# Altium PCB H17R0.PcbDoc (continued)
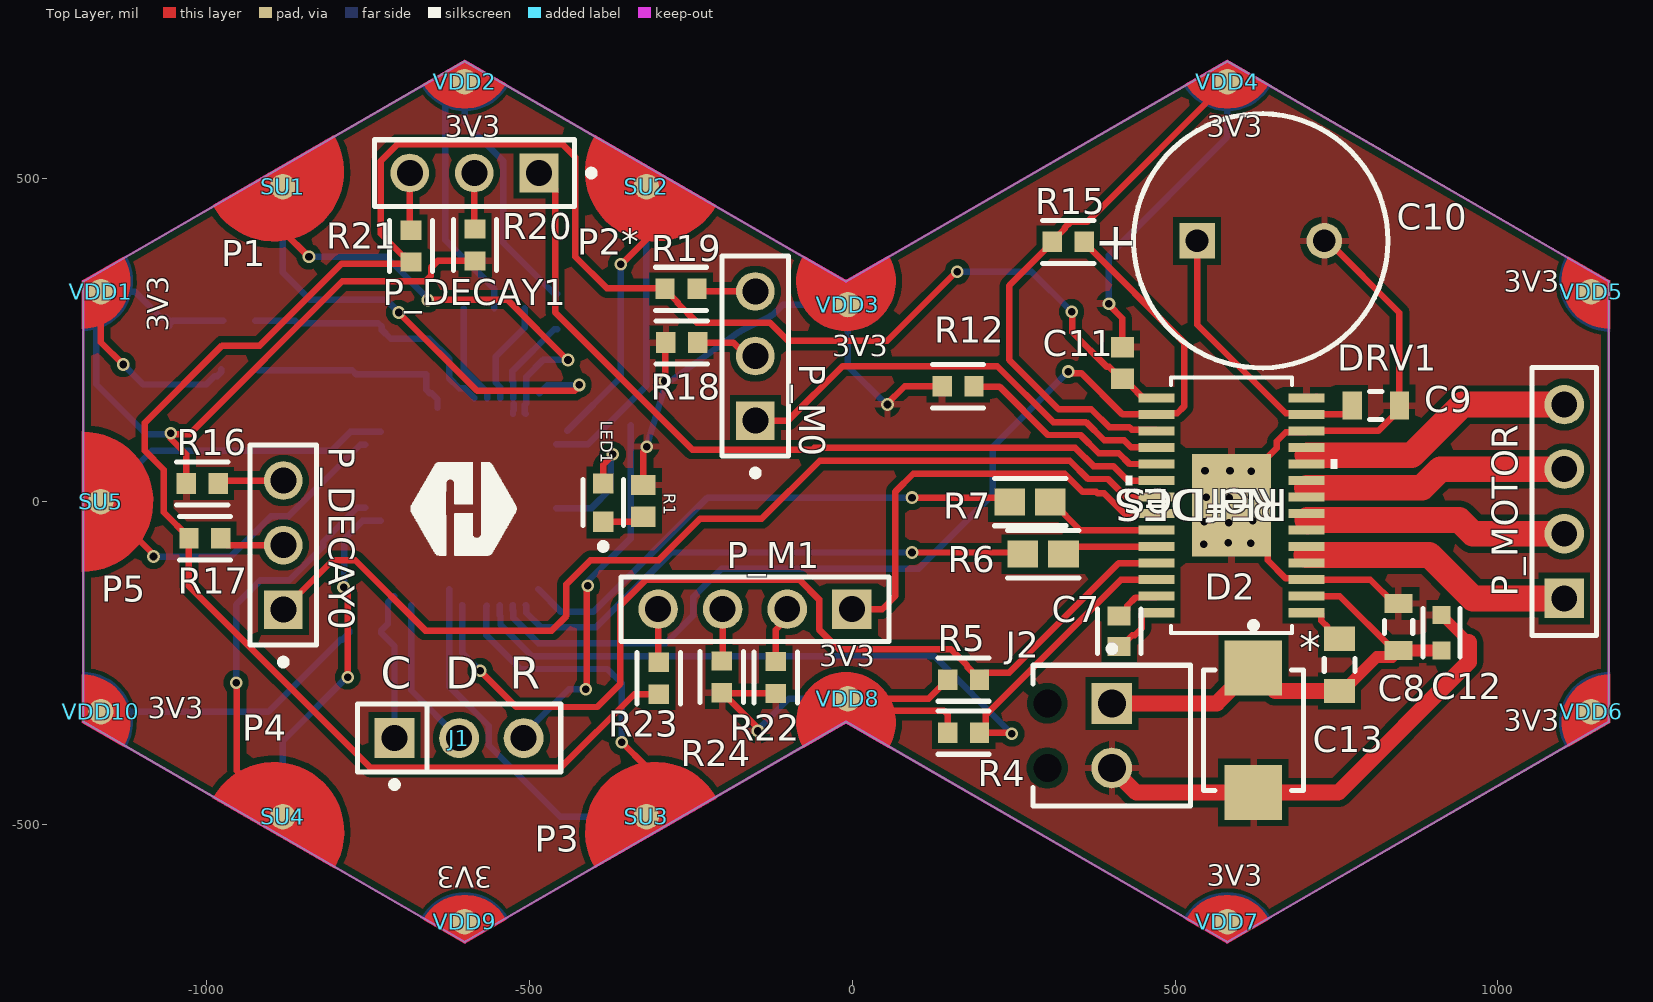
[diagram p0: Top Layer view]
## Part data (continued)
D1: "A 3V, 350W, bi-directional, standard capacitance, SOD323 pkg TVS Diode", Breakdown Voltage=4V, Clamping Voltage=10.9V, Leakage Current=125µA, Manufacturer=Bourns, Max Operating Temperature=150°C, Max Power Dissipation=400W, Max Surge Current=43A, Min Operating Temperature=-55°C, Operating Supply Voltage=3.3V, Power Line Protection=No, Supplier Part Number=CDSOD323-T03SCDKR-ND, Category="TVS Diodes", China RoHS=Compliant, ComponentLink1Description=https://datasheet.octopart.com:443/CDSOD323-T03SC-Bourns-datasheet-179966067.pdf?src-supplier=IHS, ComponentLink1URL=https://datasheet.octopart.com:443/CDSOD323-T03SC-Bourns-datasheet-179966067.pdf?src-supplier=IHS, ComponentLink2Description=https://datasheet.octopart.com:443/CDSOD323-T03SC-Bourns-datasheet-134530207.pdf?src-supplier=Electro+Sonic, ComponentLink2URL=https://datasheet.octopart.com:443/CDSOD323-T03SC-Bourns-datasheet-134530207.pdf?src-supplier=Electro+Sonic, ComponentLink3Description=https://datasheet.octopart.com:443/CDSOD323-T03SC-Bourns-datasheet-11734656.pdf?src-supplier=Burklin+Elektronik, ComponentLink3URL=https://datasheet.octopart.com:443/CDSOD323-T03SC-Bourns-datasheet-11734656.pdf?src-supplier=Burklin+Elektronik, ComponentLink4Description=https://datasheet.octopart.com:443/CDSOD323-T03SC-Bourns-datasheet-37162147.pdf?src-supplier=Farnell, ComponentLink4URL=https://datasheet.octopart.com:443/CDSOD323-T03SC-Bourns-datasheet-37162147.pdf?src-supplier=Farnell, ComponentLink5Description=https://datasheet.octopart.com:443/CDSOD323-T03SC-Bourns-datasheet-159777421.pdf?src-supplier=RS+(Formerly+Allied+Electronics), ComponentLink5URL=https://datasheet.octopart.com:443/CDSOD323-T03SC-Bourns-datasheet-159777421.pdf?src-supplier=RS+(Formerly+Allied+Electronics), ComponentLink6Description=http://sigma.octopart.com:80/conflict_mineral_statement/Bourns-company-36.pdf?src-supplier=Compliance+Statements, ComponentLink6URL=http://sigma.octopart.com:80/conflict_mineral_statement/Bourns-company-36.pdf?src-supplier=Compliance+Statements, Composition=Zener, Contact Plating=Tin, Depth=1.45mm, Direction=Bidirectional, Element Configuration=Single, Length=1.9mm, Library=Hexabitz, Lifecycle Status=Production, Manufacturer Part Number=CDSOD323-T03SC, Min Breakdown Voltage=4V, Mounting Technology="Surface Mount", Number of Bidirectional Channels=1, Number of Channels=1, Number of Elements=1, Number of Terminals=2, Peak Pulse Current=43A, Peak Pulse Power=400W, Peak Reverse Current=125µA, Pins=2, Polarity=Bidirectional, Pricing="1=0.69, 10=0.604, 100=0.418, 500=0.343, 1000=0.297 (USD)", Radiation Hardening=No, REACH SVHC=Yes, Reverse Standoff Voltage=3.3V, RoHS=Compliant, Stock=937, Supplier=DigiKey, Supplier 1=DigiKey, Supplier Part Number 1=CDSOD323-T03SCDKR-ND, Termination=SMD/SMT, Working Voltage=3.3V
D2: library part CMP-2000-07095-2, "TVS DIODE 33V 53.3V DO214AA", Breakdown Voltage=36.7V, Clamping Voltage=53.3V, Manufacturer="Littelfuse Inc", Manufacturer Part Number=SMBJ33A, Max Junction Temp=+150°C, Package=SMBJ, Peak Pulse Current=11.3A, Peak Pulse Power=600W, Reverse Standoff Voltage=33V, Temperature="-65°C to +150°C", Temperature Range Low=-65°C, Automotive=No, Category=Diode, ComponentLink2Description=Datasheet, ComponentLink2URL=https://www.littelfuse.com/~/media/electronics/datasheets/tvs_diodes/littelfuse_tvs_diode_smbj_datasheet.pdf.pdf, Device Class L1="Circuit Protection", Device Class L2="TVS Diodes", Device Class L3=unset, Digikey Description="TVS DIODE 33V 53.3V DO214AA", Direction=Unidirectional, Height=2.61mm, Lead Free=Yes, Mouser Description="TVS DIODE 33V 53.3V DO214AA", Number of Channels=1, Octopart=https://octopart.com/smbj33a-littelfuse-350829, Octopart URL=https://octopart.com/part/littelfuse/SMBJ33A, RoHS=TRUE, Temperature Range High=+150°C
DRV1: "35-V, 2.5-A bipolar stepper driver with integrated current sensing & 1/256 microstepping 28-HTSSOP -40 to 125", Manufacturer_Name="Texas Instruments", Copyright="Copyright (C) 2025 Ultra Librarian. All rights reserved.", Datasheet=https://www.ti.com/lit/gpn/drv8424, Manufacturer_Part_Number=DRV8424PWPR, RefDes=RefDes, Type=Type
FB1: "Ferrite Beads 0603 30ohms 1500mA Signal Line AEC-Q200", Case Code (Imperial)=0603, Case Code (Metric)=1608, Current Rating=1.5A, DC Resistance (DCR)=50mΩ, Manufacturer=TDK, Manufacturer Lifecycle Status=PRODUCTION, Manufacturer Part Number=MMZ1608Y300BTD25, Max Operating Temperature=125°C, Min Operating Temperature=-55°C, Ratings=AEC-Q200, Supplier Part Number=445-MMZ1608Y300BTD25DKR-ND, Supplier Part Number 1=445-MMZ1608Y300BTA00DKR-ND, Test Frequency=100MHz, Tolerance=25%, Case/Package=0603, Category="Ferrite Beads and Chips", ComponentLink1Description=https://datasheet.octopart.com:443/MMZ1608Y300BTD25-TDK-datasheet-181268448.pdf?src-supplier=IHS, ComponentLink1URL=https://datasheet.octopart.com:443/MMZ1608Y300BTD25-TDK-datasheet-181268448.pdf?src-supplier=IHS, ComponentLink2Description=https://datasheet.octopart.com:443/MMZ1608Y300BTD25-TDK-datasheet-151367874.pdf?src-supplier=TDK, ComponentLink2URL=https://datasheet.octopart.com:443/MMZ1608Y300BTD25-TDK-datasheet-151367874.pdf?src-supplier=TDK, Core Material=Ferrite, ESR=50mΩ, Height=800µm, Impedance=30Ω, Length=1.6mm, Library=Hexabitz, Lifecycle Status=Production, Max Current Rating=1.5A, Max DC Current=1.5A, Max Length=1.75mm, Max Width=950µm, Min Length=1.45mm, Min Width=650µm, Mounting Technology="Surface Mount", Number of Circuits=1, Number of Lines=1, Number of Terminals=2, Packaging="Tape & Reel (TR)", Pricing="1=0.1, 10=0.06, 25=0.052, 50=0.0468, 100=0.0419, 250=0.03612, 500=0.03214, 1000=0.02847 (USD)", REACH SVHC=Yes, RMS Current (Irms)=1.5A, RoHS=Compliant, Stock=11896, Supplier=DigiKey, Supplier 1=Digikey, Termination=SMD/SMT, Weight=2.012816mg, Width=800µm
GND1 GND2 GND4 GND5 GND6 GND7 GND9 GND10: library part HEXABIT_POWER_PORT_D
GND3: library part HEXABIT_POWER_PORT_D_300R
GND8: library part HEXABIT_POWER_PORT_D_300L
J1: library part CMP-02766-001743-1, "CONN HEADER VERT 3POS 2.54MM", Color=Black, Flammability Rating="UL94 V-0", Max Current Rating=7.6A, Max Operating Temperature=125°C, Max Voltage Rating (AC)=550V, Min Operating Temperature=-55°C, Package Quantity=1, Connector Type=Header, Contact Finish - Mating=GOLD, Contact Material=Bronze, Contact Mating Length=0.32inch, Contact Plating=Gold, Contact Shape=Square, Contact Type="Male Pin", Depth=2.54mm, Fastening Type=Pull, Gender=Male, Height=10.67mm, Housing Color=Black, Housing Material=Polyester, Insulation Color=Black, Insulation Material=PBT, Lead Free="Lead Free", Length=7.62mm, Mount="Through Hole", Number of Contacts=3, Number of Positions=3, Number of Rows=1, Orientation=Straight, Packaging=Bulk, Pitch=2.54mm, Radiation Hardening=No, REACH SVHC="No SVHC", RoHS Compliant=Yes, Series=TSW, Termination=Solder, Width=2.54mm
J2: library part CMP-2000-05299-1, "Male Header, Pitch 2.54 mm, 1 x 2 Position, Height 9 mm, Tail Length 3.5 mm", Colour=Green, Manufacturer="Phoenix Contact", Manufacturer part No.=1725656, Content=250pc(s), Datasheet URL=http://datasheet.octopart.com/1725656-Phoenix-Contact-datasheet-5302866.pdf, Datasheet Version=Apr-08, Industrial packaging=Yes, Manufacturer URL=http://www.phoenixcontact.com/, Number of Contacts=2, Octopart URL=https://octopart.com/part/phoenix-contact/1725656, Pitch=2.54mm, Type=MPT0,5/2-2,54
LED1: "LED Uni-Color Super Red 639nm 2-Pin Chip 0603(1608Metric) T/R", Case Code (Imperial)=0603, Case Code (Metric)=1608, Color=Red, Forward Current=20mA, Forward Voltage=2V, Manufacturer="Vishay Semiconductors", Max Operating Temperature=85°C, Min Operating Temperature=-35°C, Package Quantity=1, Power Rating=75mW, Supplier Part Number=VLMS1300-GS08DKR-ND, Case/Package=0603, Category=LEDs, ComponentLink1Description=https://datasheet.ciiva.com/26322/vlmo1300-26322153.pdf?src-supplier=Element14, ComponentLink1URL=https://datasheet.ciiva.com/26322/vlmo1300-26322153.pdf?src-supplier=Element14, ComponentLink2Description=https://datasheet.ciiva.com/8028/vlmo1300-8028047.pdf?src-supplier=Element14, ComponentLink2URL=https://datasheet.ciiva.com/8028/vlmo1300-8028047.pdf?src-supplier=Element14, ComponentLink3Description=https://datasheet.ciiva.com/9333/vlmo1300-9333743.pdf?src-supplier=Avnet, ComponentLink3URL=https://datasheet.ciiva.com/9333/vlmo1300-9333743.pdf?src-supplier=Avnet, ComponentLink4Description=https://datasheet.ciiva.com/16510/vlmo1300-16510985.pdf?src-supplier=Future+Electronics, ComponentLink4URL=https://datasheet.ciiva.com/16510/vlmo1300-16510985.pdf?src-supplier=Future+Electronics, ComponentLink5Description=https://datasheet.ciiva.com/2114/vlmo1300-2114930.pdf?src-supplier=Digikey, ComponentLink5URL=https://datasheet.ciiva.com/2114/vlmo1300-2114930.pdf?src-supplier=Digikey, ComponentLink6Description=https://datasheet.ciiva.com/2114/vlmo1300-2114931.pdf?src-supplier=Digikey, ComponentLink6URL=https://datasheet.ciiva.com/2114/vlmo1300-2114931.pdf?src-supplier=Digikey, ComponentLink7Description=https://datasheet.ciiva.com/2114/vlmo1300-2114929.pdf?src-supplier=Digikey, ComponentLink7URL=https://datasheet.ciiva.com/2114/vlmo1300-2114929.pdf?src-supplier=Digikey, Dominant Wavelength=631nm, Height=0.8mm, Illumination Color=Red, Lead Free="Lead Free", Length=1.6mm, Lens Style=Rectangular,Clear, Library=Hexabitz, Luminous Intensity=54mcd, Manufacturer Part Number=VLMS1300-GS08, Mounting Technology="Surface Mount", Number of LEDs=1, Packaging="Tape and Reel", Pricing="1=0.21, 10=0.143, 100=0.0998, 500=0.07982, 1000=0.07322 (USD)", Radiation Hardening=No, Reach SVHC Compliant=Unknown, RoHS=Yes, RoHS Compliant=Yes, Series=CHipLED, Stock=56745, Supplier=Digikey, Supplier 1=Digikey, Supplier Part Number 1=VLMS1300-GS08DKR-ND, Test Current=20mA, Viewing Angle=130°, Wavelength=631nm, Width=0.8mm
P_DECAY0 P_DECAY1 P_M0: library part CMP-02766-001679-1, "CONN HEADER VERT 3POS 2.54MM", Housing Color=Black, Max Current Rating=3A, Max Operating Temperature=125°C, Min Operating Temperature=-55°C, Contact Material=Bronze, Contact Plating=Gold, Depth=2.48mm, Gender=Male, Housing Material=Polymer, Length=7.62mm, MFN=Samtec, MPN=MTLW-103-07-G-S-230, Number of Contacts=3, Number of Rows=1, Octopart URL=https://octopart.com/part/samtec/MTLW-103-07-G-S-230, Orientation=Straight, Packaging=Bulk, Pitch=2.54mm, Radiation Hardening=No, RoHS Compliant=Yes, Termination=Solder
P_M1 P_MOTOR: library part CMP-1024-00356-1, "0.025\" SQ Post Header, Through-hole, Vertical, -55 to 105 degC, 2.54 mm Pitch, 4-Pin, Male, RoHS", Manufacturer=Samtec, Temperature Range="-55 to 105 degC", ComponentLink1Description="Manufacturer URL", ComponentLink1URL=http://www.samtec.com, ComponentLink2Description=Datasheet, ComponentLink2URL=http://www.samtec.com/documents/webfiles/pdf/TSW_TH.PDF, ComponentLink3Description="Package Specification", ComponentLink3URL=http://www.samtec.com/documents/webfiles/cpdf/TSW-XXX-XX-XXX-X-XX-XXX-MKT.pdf, DatasheetVersion=F-214, Mounting Technology=Through-hole, Octopart URL=https://octopart.com/part/samtec/TSW-104-08-T-S, Orientation=Vertical, PackageDescription=".025[0.64] SQ. Post Terminal Strip Assembly", PackageReference=TSW-104-08-X-S, PackageVersion="DM, 8/1988", PartNumber=TSW-104-08-T-S, Pitch="2.54 mm", RoHS=True
R1: library part "generic Resistor", "Res Thick Film 0603 270 Ohm 5% 0.1W(1/10W) ±200ppm/C Pad SMD Automotive T/R", Case Code (Imperial)=0603, Manufacturer=Panasonic, Manufacturer Part Number=ERJ-3GEYJ271V, Max Operating Temperature=155°C, Max Power Dissipation=100mW, Min Operating Temperature=-55°C, Temperature Coefficient=200ppm/°C, Tolerance=5%, Voltage Rating=75V, Case/Package=0603, Category="Chip SMD Resistors", ComponentLink1Description=https://datasheet.octopart.com:443/ERJ-3GEYJ271V-Panasonic-datasheet-13266872.pdf?src-supplier=RS+(Formerly+Allied+Electronics), ComponentLink1URL=https://datasheet.octopart.com:443/ERJ-3GEYJ271V-Panasonic-datasheet-13266872.pdf?src-supplier=RS+(Formerly+Allied+Electronics), ComponentLink2Description=https://datasheet.octopart.com:443/ERJ-3GEYJ271V-Panasonic-datasheet-5314550.pdf?src-supplier=Future+Electronics, ComponentLink2URL=https://datasheet.octopart.com:443/ERJ-3GEYJ271V-Panasonic-datasheet-5314550.pdf?src-supplier=Future+Electronics, ComponentLink3Description=https://datasheet.octopart.com:443/ERJ-3GEYJ271V-Panasonic-datasheet-61114972.pdf?src-supplier=Panasonic+SCT, ComponentLink3URL=https://datasheet.octopart.com:443/ERJ-3GEYJ271V-Panasonic-datasheet-61114972.pdf?src-supplier=Panasonic+SCT, ComponentLink4Description=https://datasheet.octopart.com:443/ERJ-3GEYJ271V-Panasonic-datasheet-147443676.pdf?src-supplier=Master+Electronics, ComponentLink4URL=https://datasheet.octopart.com:443/ERJ-3GEYJ271V-Panasonic-datasheet-147443676.pdf?src-supplier=Master+Electronics, ComponentLink5Description=https://datasheet.octopart.com:443/ERJ-3GEYJ271V-Panasonic-datasheet-10554283.pdf?src-supplier=element14+APAC, ComponentLink5URL=https://datasheet.octopart.com:443/ERJ-3GEYJ271V-Panasonic-datasheet-10554283.pdf?src-supplier=element14+APAC, ComponentLink6Description=https://datasheet.octopart.com:443/ERJ3GEYJ271V-Panasonic-datasheet-165581512.pdf?src-supplier=TME, ComponentLink6URL=https://datasheet.octopart.com:443/ERJ3GEYJ271V-Panasonic-datasheet-165581512.pdf?src-supplier=TME, ComponentLink7Description=https://datasheet.octopart.com:443/ERJ-3GEYJ271V-Panasonic-datasheet-164353788.pdf?src-supplier=Newark, ComponentLink7URL=https://datasheet.octopart.com:443/ERJ-3GEYJ271V-Panasonic-datasheet-164353788.pdf?src-supplier=Newark, ComponentLink8Description=https://datasheet.octopart.com:443/ERJ3GEYJ271V-Panasonic-datasheet-136608608.pdf?src-supplier=Farnell, ComponentLink8URL=https://datasheet.octopart.com:443/ERJ3GEYJ271V-Panasonic-datasheet-136608608.pdf?src-supplier=Farnell, ComponentLink9Description=https://datasheet.octopart.com:443/ERJ-3GEYJ271V-Panasonic---ECG-datasheet-15994758.pdf?src-supplier=Farnell, ComponentLink9URL=https://datasheet.octopart.com:443/ERJ-3GEYJ271V-Panasonic---ECG-datasheet-15994758.pdf?src-supplier=Farnell, ComponentLink10Description=https://datasheet.octopart.com:443/ERJ-3GEYJ271V-Panasonic-datasheet-5313456.pdf?src-supplier=Farnell, ComponentLink10URL=https://datasheet.octopart.com:443/ERJ-3GEYJ271V-Panasonic-datasheet-5313456.pdf?src-supplier=Farnell, ComponentLink11Description=https://datasheet.octopart.com/ERJ-3GEYJ271V-Panasonic-datasheet-78375410.pdf, ComponentLink11URL=https://datasheet.octopart.com/ERJ-3GEYJ271V-Panasonic-datasheet-78375410.pdf, ComponentLink12Description=https://datasheet.octopart.com/Thick-Film-Chip-Resistors-Panasonic-datasheet-family-105.pdf, ComponentLink12URL=https://datasheet.octopart.com/Thick-Film-Chip-Resistors-Panasonic-datasheet-family-105.pdf, ComponentLink13Description=https://datasheet.octopart.com:443/ERJ-3GEYJ271V-Panasonic-datasheet-7538305.pdf?src-supplier=Jameco, ComponentLink13URL=https://datasheet.octopart.com:443/ERJ-3GEYJ271V-Panasonic-datasheet-7538305.pdf?src-supplier=Jameco, ComponentLink14Description=https://datasheet.octopart.com:443/ERJ-3GEYJ271V-Panasonic-datasheet-118655.pdf?src-supplier=DigiKey, ComponentLink14URL=https://datasheet.octopart.com:443/ERJ-3GEYJ271V-Panasonic-datasheet-118655.pdf?src-supplier=DigiKey, ComponentLink15Description=https://datasheet.octopart.com:443/ERJ3GEYJ271V-Panasonic-datasheet-27908757.pdf?src-supplier=Electro+Sonic, ComponentLink15URL=https://datasheet.octopart.com:443/ERJ3GEYJ271V-Panasonic-datasheet-27908757.pdf?src-supplier=Electro+Sonic, ComponentLink16Description=https://datasheet.octopart.com:443/ERJ-3GEYJ271V-Panasonic-datasheet-37173568.pdf?src-supplier=Electro+Sonic, ComponentLink16URL=https://datasheet.octopart.com:443/ERJ-3GEYJ271V-Panasonic-datasheet-37173568.pdf?src-supplier=Electro+Sonic, Composition="Thick Film", Contact Plating=Tin, Depth=800µm, Features="Automotive AEC-Q200", Height=450µm, Lead Free="Lead Free", Length=1.6mm, Library=Hexabitz, Lifecycle Status=Production, Military Standard=Not, Mounting Technology="Surface Mount", Number of Terminals=2, Number of Terminations=2, Packaging="Cut Tape", Power Dissipation=100mW, Power Rating=100mW, Pricing="5000=0.00355, 10000=0.00348, 20000=0.00342, 30000=0.00335, 40000=0.00329 (USD)", Radiation Hardening=No, REACH SVHC=Yes, RoHS=Compliant, Schedule B="8533210045, 8533210045|8533210045|8533210045|8533210045|8533210045|8533210045|8533210045|8533210045|8533210045|8533210045|8533210045|8533210045|8533210045|8533210045|8533210045|8533210045|8533210045|8533210045|8533210045|8533210045|8533210045|8533210045|8533210045|85", Stock=45000, Supplier=Avnet, Supplier Part Number=ERJ-3GEYJ271V, Termination=SMD/SMT, Voltage Rating (DC)=75V, Width=800µm, Working Voltage=75V
R2: library part "generic Resistor", Library=Hexabitz
R3: library part "generic Resistor", "100mW Thick Film Resistors ±100ppm/℃ ±1% 10kΩ 0603 Chip Resistor - Surface Mount ROHS", Case Code (Imperial)=0603, Manufacturer="Yageo Group", Manufacturer Part Number=RC0603FR-0710KL, Max Operating Temperature=155°C, Min Operating Temperature=-55°C, Power Dissipation=100mW, Supplier Part Number=4023214, Temperature Coefficient=100ppm/°C, Tolerance=1%, Voltage Rating=75V, Voltage Rating (DC)=50V, Case Code (Metric)=0603, Case/Package=0603, Category="Chip SMD Resistors", China RoHS=Non-Compliant, ComponentLink1Description=https://datasheet.octopart.com:443/RC0603FR-0710KL-Yageo-datasheet-175887523.pdf?src-supplier=IHS, ComponentLink1URL=https://datasheet.octopart.com:443/RC0603FR-0710KL-Yageo-datasheet-175887523.pdf?src-supplier=IHS, ComponentLink2Description=https://datasheet.octopart.com:443/RC0603FR-0710KL-Yageo-datasheet-103092701.pdf?src-supplier=Upverter, ComponentLink2URL=https://datasheet.octopart.com:443/RC0603FR-0710KL-Yageo-datasheet-103092701.pdf?src-supplier=Upverter, ComponentLink3Description=https://datasheet.octopart.com:443/RC0603FR-0710KL-Yageo-datasheet-98239111.pdf?src-supplier=Upverter, ComponentLink3URL=https://datasheet.octopart.com:443/RC0603FR-0710KL-Yageo-datasheet-98239111.pdf?src-supplier=Upverter, ComponentLink4Description=https://datasheet.octopart.com:443/RC0603FR-0710KL-Yageo-datasheet-141265859.pdf?src-supplier=Upverter, ComponentLink4URL=https://datasheet.octopart.com:443/RC0603FR-0710KL-Yageo-datasheet-141265859.pdf?src-supplier=Upverter, ComponentLink5Description=https://sigma.octopart.com:443/138820526/technical_drawing/Yageo-RC0603FR-0710KL.pdf?src-supplier=Upverter, ComponentLink5URL=https://sigma.octopart.com:443/138820526/technical_drawing/Yageo-RC0603FR-0710KL.pdf?src-supplier=Upverter, ComponentLink6Description=https://datasheet.octopart.com:443/RC0603FR-0710KL-Yageo-datasheet-8328172.pdf?src-supplier=Farnell, ComponentLink6URL=https://datasheet.octopart.com:443/RC0603FR-0710KL-Yageo-datasheet-8328172.pdf?src-supplier=Farnell, ComponentLink7Description=https://datasheet.octopart.com:443/RC0603FR-0710KL-Yageo-datasheet-13691069.pdf?src-supplier=Farnell, ComponentLink7URL=https://datasheet.octopart.com:443/RC0603FR-0710KL-Yageo-datasheet-13691069.pdf?src-supplier=Farnell, ComponentLink8Description=https://datasheet.octopart.com:443/RC0603FR-0710KL-Yageo-datasheet-62067350.pdf?src-supplier=element14+APAC, ComponentLink8URL=https://datasheet.octopart.com:443/RC0603FR-0710KL-Yageo-datasheet-62067350.pdf?src-supplier=element14+APAC, ComponentLink9Description=https://datasheet.octopart.com:443/RC0603FR-0710KL-Yageo-datasheet-17842380.pdf?src-supplier=element14+APAC, ComponentLink9URL=https://datasheet.octopart.com:443/RC0603FR-0710KL-Yageo-datasheet-17842380.pdf?src-supplier=element14+APAC, ComponentLink10Description=https://datasheet.octopart.com:443/RC0603FR-0710KL-Yageo-datasheet-15599030.pdf?src-supplier=Future+Electronics, ComponentLink10URL=https://datasheet.octopart.com:443/RC0603FR-0710KL-Yageo-datasheet-15599030.pdf?src-supplier=Future+Electronics, ComponentLink11Description=https://datasheet.octopart.com:443/RC0603FR-0710KL-Yageo-datasheet-164759695.pdf?src-supplier=Future+Electronics, ComponentLink11URL=https://datasheet.octopart.com:443/RC0603FR-0710KL-Yageo-datasheet-164759695.pdf?src-supplier=Future+Electronics, ComponentLink12Description=https://datasheet.octopart.com:443/RC0603FR-0710KL-Yageo-datasheet-127823281.pdf?src-supplier=Future+Electronics, ComponentLink12URL=https://datasheet.octopart.com:443/RC0603FR-0710KL-Yageo-datasheet-127823281.pdf?src-supplier=Future+Electronics, ComponentLink13Description=https://datasheet.octopart.com:443/RC0603FR-0710KL-Yageo-datasheet-137700087.pdf?src-supplier=Future+Electronics, ComponentLink13URL=https://datasheet.octopart.com:443/RC0603FR-0710KL-Yageo-datasheet-137700087.pdf?src-supplier=Future+Electronics, ComponentLink14Description=https://datasheet.octopart.com:443/RC0603FR-0710KL-Yageo-datasheet-27584510.pdf?src-supplier=Future+Electronics, ComponentLink14URL=https://datasheet.octopart.com:443/RC0603FR-0710KL-Yageo-datasheet-27584510.pdf?src-supplier=Future+Electronics, ComponentLink15Description=https://datasheet.octopart.com:443/RC0603FR-0710KL-Yageo-datasheet-8324193.pdf?src-supplier=Future+Electronics, ComponentLink15URL=https://datasheet.octopart.com:443/RC0603FR-0710KL-Yageo-datasheet-8324193.pdf?src-supplier=Future+Electronics, ComponentLink16Description=https://datasheet.octopart.com:443/RC0603FR-0710KL-Yageo-datasheet-12596169.pdf?src-supplier=Newark, ComponentLink16URL=https://datasheet.octopart.com:443/RC0603FR-0710KL-Yageo-datasheet-12596169.pdf?src-supplier=Newark, ComponentLink17Description=https://datasheet.octopart.com:443/RC0603FR-0710KL-Yageo-datasheet-503470.pdf?src-supplier=Newark, ComponentLink17URL=https://datasheet.octopart.com:443/RC0603FR-0710KL-Yageo-datasheet-503470.pdf?src-supplier=Newark, ComponentLink18Description=https://datasheet.octopart.com:443/RC0603FR-0710KL-Yageo-datasheet-34211833.pdf?src-supplier=Newark, ComponentLink18URL=https://datasheet.octopart.com:443/RC0603FR-0710KL-Yageo-datasheet-34211833.pdf?src-supplier=Newark, ComponentLink19Description=https://datasheet.octopart.com:443/RC0603FR-0710KL-Yageo-datasheet-79472498.pdf?src-supplier=Megastar, ComponentLink19URL=https://datasheet.octopart.com:443/RC0603FR-0710KL-Yageo-datasheet-79472498.pdf?src-supplier=Megastar, ComponentLink20Description=https://datasheet.octopart.com/RC0603FR-0710KL-Yageo-datasheet-73766026.pdf, ComponentLink20URL=https://datasheet.octopart.com/RC0603FR-0710KL-Yageo-datasheet-73766026.pdf, ComponentLink21Description=https://datasheet.octopart.com:443/RC0603FR-0710KL-Yageo-datasheet-118562.pdf?src-supplier=DigiKey, ComponentLink21URL=https://datasheet.octopart.com:443/RC0603FR-0710KL-Yageo-datasheet-118562.pdf?src-supplier=DigiKey, ComponentLink22Description=http://sigma.octopart.com:80/rohs_statement/Yageo-company-2.pdf?src-supplier=Compliance+Statements, ComponentLink22URL=http://sigma.octopart.com:80/rohs_statement/Yageo-company-2.pdf?src-supplier=Compliance+Statements, ComponentLink23Description=http://sigma.octopart.com:80/conflict_mineral_statement/Yageo-company-3.pdf?src-supplier=Compliance+Statements, ComponentLink23URL=http://sigma.octopart.com:80/conflict_mineral_statement/Yageo-company-3.pdf?src-supplier=Compliance+Statements, Composition="Thick Film", Depth=800µm, Height=450µm, Lead Free="Lead Free", Lead Pitch=300µm, Length=1.6mm, Library=Hexabitz, Lifecycle Status=Production, Military Standard=Not, Mounting Technology="Surface Mount", Number of Terminals=2, Packaging="Tape & Reel", Pins=2, Power Rating=100mW, Pricing="5000=0.001, 25000=0.001, 150000=0.001, 500000=0.0009, 1500000=0.0009 (USD)", REACH SVHC=Yes, RoHS=Compliant, Schedule B="8533210045, 8533210045|8533210045|8533210045|8533210045|8533210045|8533210045|8533210045|8533210045|8533210045|8533210045|8533210045|8533210045|8533210045|8533210045|8533210045|8533210045|8533210045|8533210045|8533210045|8533210045|8533210045|8533210045|8533210045|85", Stock=22990000, Supplier="Future Electronics", Termination=SMD/SMT, Weight=2.012816mg, Width=800µm, Working Voltage=75V
R4 R5 R15 R16 R17 R18 R19 R20 R21 R22 R23: library part CMP-03211-009884-1, "CRGCQ 0603 10K 5%", Ambient Temperature Range High=+70°C, Manufacturer="TE Connectivity", Manufacturer Part Number=CRGCQ0603J10K, Package=CRGCQ0603, Power Rating=0.1W, Resistance=10KΩ, Temperature="-55°C to +155°C", Temperature Coefficient=±100ppm/°C, Temperature Range High=+155°C, Temperature Range Low=-55°C, Tolerance=0.05, Voltage Rating=75V, Category=Res, ComponentLink2Description=Datasheet, ComponentLink2URL=https://www.te.com/commerce/DocumentDelivery/DDEController?Action=showdoc&DocId=Data+Sheet%7F1773204-3%7F1%7Fpdf%7FEnglish%7FENG_DS_1773204-3_1.pdf%7F4-2176339-923, Composition="Thick Film", Device Class L1="Passive Components", Device Class L2=Resistors, Device Class L3="Chip SMD Resistors", Digikey Description="CRGCQ 0603 10K 5%", Height=0.55mm, Ipc Land Pattern Name=RESC16080X45, Lead Free=Yes, Mouser Description="Res Thick Film 0603 10K Ohm 5% 0.1W(1/10W) ±100ppm/C Pad SMD Automotive T/R", Octopart=https://octopart.com/crgcq0603j10k-te+connectivity-91018097, RoHS=TRUE, Series=CRGCQ
R6 R7: library part CMP-26527-004540-1, "100Ω ±5% 0.1W 0603 Thick Film Chip Resistor AEC-Q200 compliant", Case Code (Imperial)=0603, Case Code (Metric)=1608, Max Operating Temperature=155°C, Max Power Dissipation=100mW, Min Operating Temperature=-55°C, MPN=RMCF0603JT100R, Resistance=100R, Resistor Type="Thick Film", Temperature Coefficient=100ppm/°C, Tolerance=5%, Case/Package=0603, Construction=Rectangular, Contact Plating=Tin, Depth=0.8mm, Features="Automotive AEC-Q200", Height=0.022inch, Lead Free="Lead Free", Length=1.55mm, MFN="Stackpole Electronics", Military Standard=Not, Mount="Surface Mount", Number of Terminations=2, Octopart URL=https://octopart.com/part/stackpole-electronics/RMCF0603JT100R, Packaging="Tape and Reel", Power Rating=100mW, Radiation Hardening=No, RoHS Compliant=Yes, Series=RMCF, Size Code=0603, Width=0.031inch
R12: library part CMP-08839-028279-1, "47kΩ ±5% 0.25W 0603 Anti-Surge Chip Resistor AEC-Q200", Case Code (Imperial)=0603, Case Code (Metric)=1608, Max Operating Temperature=155°C, Max Power Dissipation=250mW, Min Operating Temperature=-55°C, MPN=ESR03EZPJ473, Package Quantity=1, Resistance=47kR, Resistor Type="Thick Film", Temperature Coefficient=200ppm/°C, Tolerance=5%, Case/Package=0603, Features="Automotive AEC-Q200", Height=0.022inch, Length=0.063inch, MFN=ROHM, Number of Terminations=2, Octopart URL=https://octopart.com/part/rohm/ESR03EZPJ473, Packaging="Tape and Reel", RoHS Compliant=Yes, Series=ESR, Width=0.031inch
R24: library part CMP-08839-028995-1, "330kΩ ±5% 0.25W 0603 Anti-Surge Chip Resistor AEC-Q200", Case Code (Imperial)=0603, Case Code (Metric)=1608, Max Operating Temperature=155°C, Max Power Dissipation=250mW, Min Operating Temperature=-55°C, MPN=ESR03EZPJ334, Package Quantity=5000, Resistance=330kR, Resistor Type="Thick Film", Temperature Coefficient=200ppm/°C, Tolerance=5%, Case/Package=0603, Features="Automotive AEC-Q200", Height=0.022inch, Length=0.063inch, MFN=ROHM, Number of Terminations=2, Octopart URL=https://octopart.com/part/rohm/ESR03EZPJ334, Packaging="Tape and Reel", RoHS Compliant=Yes, Series=ESR, Width=0.031inch
SD1 SD2 SD3 SD4 SD5: library part HEXABIT_UART_PORT_D
SU1 SU2 SU3 SU4 SU5: library part HEXABIT_UART_PORT_U
U1: "MCU 32-bit ARM Cortex M0+ RISC 512KB Flash 1.8V/2.5V/3.3V 48-Pin UFQFPN EP Tray", Manufacturer=STMicroelectronics, Supplier Part Number=497-STM32G0B1CEU6-ND, Category=Microcontrollers, Library=Hexabitz, Manufacturer Part Number=STM32G0B1CEU6, Octopart URL=https://octopart.com/stm32g0b1ceu6-stmicroelectronics-116363364, Pricing="1=4.78, 10=3.635, 25=3.3488, 100=3.0347, 260=2.87923, 520=2.7899, 1040=2.71638, 2600=2.63877 (USD)", RoHS=Yes, Stock=4305, Supplier=Digikey, Supplier 1=Digikey, Supplier Part Number 1=497-STM32G0B1CEU6-ND
VDD1 VDD2 VDD4 VDD5 VDD6 VDD7 VDD9 VDD10: library part HEXABIT_POWER_PORT_U
VDD3: library part HEXABIT_POWER_PORT_U_300R
VDD8: library part HEXABIT_POWER_PORT_U_300L
X1: "Ceramic Resonator 8MHz ±0.5% (Tol) ±0.2% (Stability) 10pF 40Ohm 3-Pin CSMD T/R", Case Code (Imperial)=1206, Case Code (Metric)=3216, Frequency=8MHz, Frequency Stability=0.2%, Frequency Tolerance=0.5%, Load Capacitance=10pF, Manufacturer=Murata, Max Operating Temperature=125°C, Min Operating Temperature=-40°C, Package Quantity=1, Case/Package=1206, Category=Capacitors, Contact Plating=Gold, Height=0.031inch, Impedance=40R, Length=3.2mm, Library=Hexabitz, Manufacturer Part Number=CSTCE8M00G52Z-R0, Mounting Technology="Surface Mount", Packaging="Tape and Reel", Pins=3, RoHS Compliant=Yes, Self Resonant Frequency=8MHz, Series=CERALOCK®, Termination=SMD/SMT, Tolerance=0.5%, Width=1.3mm

## Via types
v1: diameter 19.68, hole 11.81, Top Layer to Bottom Layer, 40 vias

## Nets (pads, with @x,y where several pads share a name; then routed paths per layer and width w, separated by ;. In a path a pad name is that pad's centre, name@x,y a point inside that pad or via, vN(x,y) a via of type N, cw(c..) or ccw(c..) an arc to the next point about the centre after c; other vN are vias at no path point)
CLK_BOOT: J1.1 R3.1 U1.36 | length 234.1
  Bottom Layer w10: R3.1@-729.39,-202.95 -708.58,-223.77 J1.1 ; R3.1 -718.65,-189.25 -718.65,-155.82 -709,-146.17
CPH: C7.1 DRV1.28 | length 92.3
  Top Layer w10: C7.1 416.48,-224.49 433.96,-207.01 437.45,-207.01 448.49,-195.97 448.49,-173.98 450.49,-171.98 DRV1.28
DATA: J1.2 U1.35 | length 236.8
  Bottom Layer w10: -682.58,-159.99 -682.58,-292.15 J1.2
DECAY0: DRV1.21 P_DECAY0.1 | length 1589.4
  Top Layer w10: P_DECAY0.1 -804.33,-90.86 -769.42,-90.86 -660.75,-199.53 -464.9,-199.53 -442.35,-176.98 -442.35,-127.99 -405.23,-90.86 -299.75,-90.86 -235.55,-26.67 -140.21,-26.67 -50.29,63.25 337.21,63.25 365.37,35.1 396.31,35.1 424.26,7.15 DRV1.21
DECAY1: DRV1.20 P_DECAY1.1 | length 1267.3
  Top Layer w10: P_DECAY1.1 -460,483.96 -460,293.27 -247.37,80.64 -61.19,80.64 -58.57,83.25 345.5,83.25 373.65,55.1 404.59,55.1 426.95,32.74 DRV1.20
DVDD: C11.2 DRV1.15 R17.1 R19.1 R21.1 R23.1 | length 3434.7
  Top Layer w10: R23.1 -337.39,-298.01 -451.45,-412.06 -745.69,-412.06 -1026.91,-130.84 R17.1 -1026.91,-55.52 -1065.92,-16.5 -1065.92,49.58 -1095.01,78.67 -1095.01,122.32 -975.61,241.72 -917.07,241.72 -790.13,368.66 -685.45,368.66 R21.1 -692.99,380.97 -695.74,380.97 -729.85,415.08 -729.85,527.49 -703.53,553.81 -448.79,553.81 -428.59,533.61 -428.59,379.25 -379.67,330.33 -291.48,330.33 -270.15,308.99 -270.15,307.3 -240.25,277.4 -127.72,277.4 -99.33,249.01 54.22,249.01 v1@160.31,355.1 ; v1@340.74,294.02 340.74,262.38 394.54,208.58 398.03,208.58 416.5,190.12 C11.2 429.21,179.37 431.8,179.37 450.49,160.69 DRV1.15
  Bottom Layer w10: v1(162.91,356.07) 277.93,356.07 v1(339.98,294.02)
GND: C5.1 C8.1 C9.1 C10.2 C11.1 C12.1 D1.1 D2.2 DRV1.3 DRV1.12 DRV1.14 DRV1.EPAD GND1.Pwr_D GND2.Pwr_D GND3.Pwr_D GND4.Pwr_D GND5.Pwr_D GND6.Pwr_D GND7.Pwr_D GND8.Pwr_D GND9.Pwr_D GND10.Pwr_D J2.2 R1.1 R2.1 R3.2 R12.1 R16.1 R18.1 R20.1 R22.1 R24.2 U1.49 X1.P$2 | length 5824.8
  Top Layer w10: R16.1 -1030.92,73.28 -1055.01,97.37 v1(-1055.01,105.76) -1053.73,104.48 -1026.03,104.48 -789.39,341.12 -660.86,341.12 -652.08,349.91 -652.08,362.54 -641.85,372.77 R20.1 ; R1.1 -323.29,77.48 -318.2,82.57 v1(-318.2,85.19) ; v1(-289.84,186.86) -289.19,187.51 -289.19,245.77 R18.1 ; v1@-142.48,-353.7 -142.97,-353.7 -200.69,-295.98 R24.2 -201.3,-296.44 -118.69,-296.44 R22.1 ; v1@52.3,149.77 81.37,178.83 R12.1 ; v1@398.07,304.4 418.47,284 C11.1 ; DRV1.14@682.99,160.69 DRV1.14 717.53,160.69 DRV1.14@719.53,162.69 ; C10.2@736.11,404.07 847.46,292.72 C9.1 847.46,142.11 814.86,109.51 DRV1.12 701.74,107.51 671.37,107.51 657.63,93.77 657.63,82.99 587.49,12.85 DRV1.EPAD 643.49,-61.65 643.49,-90.93 671.37,-118.8 701.74,-118.8 DRV1.3 802.5,-120.8 839.42,-157.72 C8.1
  Top Layer w16: C12.1 954.85,-217.61
  Top Layer w25: J2.2 440.25,-450.4 D2.2 752.72,-450.4 954.85,-248.27 954.85,-217.61
  Bottom Layer w10: GND10.Pwr_D -903.81,-325.2 -792.31,-213.7 -789.35,-213.7 -778.61,-202.95 R3.2 ; D1.1 -1057.13,279.89 -1061.98,284.73 -1069.85,284.73 -1110.32,325.2 GND1.Pwr_D -1168.88,319.58 -1168.88,306.07 -1170.29,304.66 -1170.29,181.7 -1093.07,104.48 -1056.28,104.48 v1(-1055.01,105.76) ; D1.1@-1057.13,275.16 -1052.29,280 R2.1 ; X1.P$2 -553.88,329.18 -629.85,405.15 -629.85,620.54 GND2.Pwr_D -600,587.49 -540,527.49 -540,400.76 -461.38,322.13 C5.1 ; v1(-318.2,85.19) -289.84,178.58 v1(-289.84,186.86) -281.56,186.86 -175.82,262.15 cw(c-149.76,225.56) -169.49,265.92 -130.04,285.2 ccw(c-149.76,325.56) -118.02,293.78 -106.6,305.2 GND3.Pwr_D -6.61,209.91 v1@52.92,150.38 ; v1@-145.85,-353.03 -98.03,-305.2 GND8.Pwr_D ; v1(397.64,306.54) 397.64,381.26 581.1,564.72 GND4.Pwr_D
  other v1: -145.85,-355.05 544.63,-66.06 582.62,-63.6 617.34,-64.42 583.03,-32.56 545.44,-31.33 620.2,-29.7 583.93,6.32 548.19,6.91 618.48,7.51 617.89,46.83 546.4,48.02 585.12,48.02 54.77,150.38 -656.95,312.37
M0: DRV1.18 P_M0.1 | length 708.1
  Top Layer w10: P_M0.1 -99.14,125.56 -14.89,209.82 224.84,209.82 311.4,123.25 362.06,123.25 390.22,95.1 421.16,95.1 432.34,83.92 DRV1.18
M1: DRV1.22 P_M1.1 | length 678.7
  Top Layer w10: P_M1.1 46.53,-166.47 67.1,-145.9 67.1,15.72 94.64,43.25 328.93,43.25 357.08,15.1 378.01,15.1 380.37,12.74 390.38,12.74 421.56,-18.44 DRV1.22
NetC7_2: C7.2 DRV1.27 | length 74.3
  Top Layer w10: C7.2 416.48,-177.24 426.24,-167.48 426.24,-161.02 438.87,-148.39 469.24,-148.39 DRV1.27
NetC8_2: C8.2 C12.2 C13.2 D2.1 DRV1.2 J2.1 | length 746.4
  Top Layer w10: DRV1.2 755.26,-146.39 839.42,-230.55 C8.2 C8.2@836.42,-240.44
  Top Layer w18: C13.2@759.72,-293.19 812.47,-240.44 C8.2@836.42,-240.44 ; C8.2 C12.2
  Top Layer w25: J2.1 564.6,-312.4 619.51,-257.49 655.22,-293.19 C13.2
NetC9_2: C9.2 C10.1 DRV1.13 | length 435.8
  Top Layer w10: C10.1 534.33,274.13 671.37,137.1 701.74,137.1 DRV1.13 764.74,135.1 774.63,144.98 C9.2
NetC13_1: C13.1 DRV1.1 | length 76.7
  Top Layer w10: DRV1.1 724.49,-171.98 726.49,-173.98 726.49,-184.17 736.05,-193.74 736.05,-198.66 749.87,-212.48 C13.1
NetDRV1_4: DRV1.4 DRV1.5 P_MOTOR.1 | length 427.8
  Top Layer w10: 703.08,-81.85 703.63,-82.39
  Top Layer w40: 703.63,-82.39 893.7,-82.39 961,-149.7 P_MOTOR.1
NetDRV1_6: DRV1.6 DRV1.7 P_MOTOR.2 | length 411.2
  Top Layer w10: 703.63,-27.23 704.17,-27.23 705.26,-28.32 ; DRV1.6 DRV1.6@705.74,-46.03
  Top Layer w40: 705.26,-28.32 940.12,-28.32 961.5,-49.7 P_MOTOR.2
NetDRV1_8: DRV1.8 DRV1.9 P_MOTOR.3 | length 410.2
  Top Layer w40: 704.41,21.67 882.35,21.67 910.98,50.3 P_MOTOR.3
NetDRV1_10: DRV1.10 DRV1.11 P_MOTOR.4 | length 431
  Top Layer w10: 704.4,71.32 704.92,71.84
  Top Layer w40: 704.92,71.84 866.29,71.84 944.75,150.3 P_MOTOR.4
NetDRV1_16: DRV1.16 R15.2 U1.27 | length 1659.7
  Top Layer w10: v1@334.57,199.11 354.79,199.11 418.81,135.1 DRV1.16 473.24,137.1 503.61,137.1 513.99,147.47 513.99,246.55 359.37,401.17 R15.2
  Bottom Layer w10: -525.42,-159.99 -525.42,-168.28 -524.47,-169.22 -524.47,-180.27 -485.66,-219.08 -288.62,-219.08 -245.89,-176.34 -245.89,-147.62 -201.84,-103.56 103.1,-103.56 217.91,11.24 217.91,84.77 v1(334.57,201.43)
NetDRV1_19: DRV1.19 R12.2 | length 332.4
  Top Layer w10: R12.2 189.36,178.26 228.11,178.26 303.12,103.25 353.78,103.25 381.94,75.1 412.87,75.1 429.64,58.33 DRV1.19
NetDRV1_23: DRV1.23 R7.1 | length 182.2
  Top Layer w10: R7.1 309.95,-0.65 353.34,-44.03 DRV1.23
NetDRV1_24: DRV1.24 R6.1 | length 148.7
  Top Layer w10: R6.1 339.11,-69.62 DRV1.24
NetDRV1_25: DRV1.25 R5.2 U1.31 | length 1503.4
  Top Layer w10: v1@-575.82,-262.24 -520.11,-317.95 -394.62,-317.95 -358.89,-282.21 -358.89,-160.62 -319.23,-120.96 -81.53,-120.96 -51.16,-151.33 -51.16,-197.93 -20.79,-228.29 152.83,-228.29 177.93,-253.39 177.93,-255.08 R5.2@197.37,-274.53 ; R5.2 R5.2@197.37,-274.53 ; DRV1.25 412.59,-95.21 243.2,-264.6 207.3,-264.6 R5.2@197.37,-274.53
  Bottom Layer w10: -603.53,-159.99 -603.53,-234.05 v1(-575.82,-261.75)
NetDRV1_26: DRV1.26 R4.2 U1.28 | length 1325.1
  Top Layer w10: v1@246.82,-359.39 245.06,-357.64 R4.2 207.3,-347.71 207.3,-329.77 416.27,-120.8 DRV1.26
  Bottom Layer w10: -545.72,-160.31 -545.72,-176.26 -544.47,-177.51 -544.47,-190.47 -495.87,-239.08 126.99,-239.08 v1(247.31,-359.39)
NetLED1_1: LED1.1 R1.2 | length 65.3
  Top Layer w10: LED1.1 -330.83,-30.97 R1.2
NetLED1_2: LED1.2 U1.19 | length 201
  Top Layer w10: LED1.2 -385.43,56.97 -370.65,71.74
  Bottom Layer w10: U1.19 -403.39,-9.84 -373.65,19.9 -373.65,69.64 -370.35,72.94
NetP_DECAY0_2: P_DECAY0.2 R17.2 | length 101.7
  Top Layer w10: R17.2 -977.54,-57.34 -967.62,-67.26 P_DECAY0.2
NetP_DECAY0_3: P_DECAY0.3 R16.2 | length 102.7
  Top Layer w10: R16.2 -977.03,32.74 P_DECAY0.3
NetP_DECAY1_2: P_DECAY1.2 R20.2 | length 87.2
  Top Layer w10: P_DECAY1.2 -584.92,423.18 R20.2
NetP_DECAY1_3: P_DECAY1.3 R21.2 | length 89.2
  Top Layer w10: P_DECAY1.3 -684.92,422.28 R21.2
NetP_M0_2: P_M0.2 R18.2 | length 98
  Top Layer w10: R18.2 -184.11,246.42 -163.25,225.56 P_M0.2
NetP_M0_3: P_M0.3 R19.2 | length 92.1
  Top Layer w10: R19.2 -236.29,325.56 P_M0.3
NetP_M1_2: P_M1.2 R22.2 | length 88.5
  Top Layer w10: R22.2 -118.24,-198.14 -100.38,-180.28 P_M1.2
NetP_M1_3: P_M1.3 R24.1 | length 80.7
  Top Layer w10: R24.1 -200.38,-245.24 P_M1.3
NetP_M1_4: P_M1.4 R23.2 | length 82.6
  Top Layer w10: P_M1.4 -300.38,-247.67 R23.2
NetR6_2: R6.2 U1.26 | length 839.3
  Top Layer w10: v1(92.81,-78.72) 261.7,-78.72 R6.2
  Bottom Layer w10: -505.42,-159.99 -504.47,-160.94 -504.47,-171.98 -482.26,-194.2 -396.05,-194.2 -280.58,-78.72 v1(92.81,-78.72)
NetR7_2: R7.2 U1.25 | length 820.3
  Top Layer w10: v1(92.81,6.3) 237.02,6.3 R7.2
  Bottom Layer w10: U1.25 -450.87,-170.69 -400.83,-170.69 -223.84,6.3 v1(92.81,6.3)
NetU1_8: U1.8 X1.P$3 | length 154.7
  Bottom Layer w10: X1.P$3 -601.24,299.53 -601.24,205.47 -565.1,169.34 -565.1,159.99
NetU1_9: U1.9 X1.P$1 | length 161.6
  Bottom Layer w10: -545.1,159.99 -545.1,168.28 -544.79,168.59 -544.79,177.31 -552.03,184.55 -552.03,224.73 -506.64,270.13 X1.P$1
NRST: C5.2 J1.3 U1.10 | length 719.9
  Top Layer w10: v1(-412.25,-290.49) -410.88,-289.12 -410.88,-131.65 v1(-409.51,-130.28)
  Bottom Layer w10: U1.10 -525.1,140 -523.88,141.22 U1.10@-523.88,151.39 ; -525.1,159.99 -524.79,160.31 -524.79,185.59 -525.96,186.76 -525.96,202.44 -461.38,267.02 C5.2 ; J1.3 -508.58,-360.26 -438.81,-290.49 v1(-412.25,-290.49) ; v1@-411.54,-125.56 -343.04,-57.07 -343.04,118.15
UART1_RX: SD3.UART_D U1.32 | length 556.4
  Bottom Layer w10: U1.32 -623.53,-286.28 -562.67,-347.14 -562.67,-376.98 -451.85,-487.8 SD3.UART_D
UART1_TX: SU3.UART_U U1.29 | length 508.8
  Top Layer w10: v1(-356.9,-372.54) -318.5,-410.94 SU3.UART_U
  Bottom Layer w10: -565.72,-160.81 -565.72,-161.24 -566.37,-161.89 -566.37,-206.52 -513.81,-259.08 -379.19,-259.08 -356.9,-281.37 v1(-356.9,-372.54)
UART2_RX: SD2.UART_D U1.14 | length 485.6
  Bottom Layer w10: U1.14 -409.55,88.58 -318.5,179.63 SD2.UART_D
UART2_TX: SU2.UART_U U1.13 | length 428.8
  Top Layer w10: v1@-357.17,367.76 -318.5,406.43 SU2.UART_U
  Bottom Layer w10: -441.38,109.49 -358.17,192.7 v1(-358.17,367.76)
UART3_RX: SD5.UART_D U1.48 | length 478.4
  Bottom Layer w10: SD5.UART_D -1084.34,79.05 -806.09,79.05 -776.87,108.27 U1.48
UART3_TX: SU5.UART_U U1.47 | length 518.6
  Top Layer w10: SU5.UART_U -1081.37,-82.02 v1@-1081.37,-84.98
  Bottom Layer w10: v1(-1081.87,-84.98) -961.97,-84.98 -899.33,-22.34 -872.28,-22.34 -761.67,88.27 -753.99,88.27
UART4_RX: SD1.UART_D U1.12 | length 579.4
  Top Layer w10: v1@-701.92,292.65 -580.8,171.54
  Bottom Layer w10: SD1.UART_D -881.5,354.89 -839.61,313 -721.81,313 v1@-700.97,292.16 ; -484.79,167.56 -472.22,180.13 v1@-421.26,180.13
  other v1: -422.63,180.76 -702.11,292.97
UART4_TX: SU1.UART_U U1.11 | length 262.2
  Top Layer w10: SU1.UART_U -881.5,419.24 v1@-841.08,378.82
  Bottom Layer w10: U1.11 -506.64,137.05 -506.64,150.17 -504.79,152.02 -504.79,193.2 -478.55,219.44 -439.54,219.44 v1@-438.32,218.22
  other v1: -439.96,219.31 -841.08,379.08
UART5_RX: SD4.UART_D U1.41 | length 542.9
  Top Layer w10: v1(-787.42,-132.5) -787.42,-135.12 -781.06,-141.48 v1(-781.06,-271.67)
  Bottom Layer w10: SD4.UART_D -881.5,-370.92 v1@-779.88,-269.3 ; v1@-786.18,-130.02 -786.18,-57.44 -758.26,-29.53 U1.41
UART5_TX: SU4.UART_U U1.42 | length 625
  Top Layer w10: v1@-952.82,-279.27 -952.82,-416.48 SU4.UART_U
  Bottom Layer w10: v1(-953.8,-280.24) -953.8,-159.28 -916.17,-121.65 -871.58,-121.65 -819.06,-69.13 -819.06,-62.04 -766.55,-9.53 -753.99,-9.53
VDD: D1.2 DRV1.17 FB1.1 R4.1 R5.1 R15.1 VDD1.Pwr_U VDD2.Pwr_U VDD3.Pwr_U VDD4.Pwr_U VDD5.Pwr_U VDD6.Pwr_U VDD7.Pwr_U VDD8.Pwr_U VDD9.Pwr_U VDD10.Pwr_U | length 1522.5
  Top Layer w10: VDD1.Pwr_U -1163.26,246.91 v1(-1128.82,212.46) ; R4.1 148,-329.83 142.15,-323.97 20.11,-323.97 1.34,-305.2 VDD8.Pwr_U 118.4,-305.2 137.02,-286.58 138.08,-286.58 148,-276.65 R5.1 ; DRV1.17 469.24,111.51 433.03,111.51 429.44,115.1 398.5,115.1 370.35,143.25 319.69,143.25 243.49,219.45 243.49,334.66 310,401.17 R15.1 310,403.3 329.45,422.74 329.45,424.43 338.23,433.22 363.93,433.22 VDD4.Pwr_U
  Bottom Layer w10: v1@-1128.2,211.85 -1097.81,181.46 D1.2 -1000.1,181.46 -987.31,194.25 -983.37,194.25 -976.56,201.06 FB1.1
VDDA: C1.2 C2.1 C3.2 C4.2 FB1.2 U1.4 U1.5 U1.6 | length 325.5
  Bottom Layer w10: FB1.2 -919.94,203.5 C4.2 C2.1 -767.57,197.07 C3.2 C1.2 -659.59,173.42 -653.74,167.56 -650.78,167.56 -641.99,158.77 U1.4@-641.99,145.7
VSSA: C1.1 C2.2 C3.1 C4.1 R2.2 U1.7 | length 409.8
  Bottom Layer w10: R2.2 -862.5,280 C4.1 C2.2 -733.91,276.5 -728.05,270.64 -728.05,265.72 -714.52,252.19 C3.1 C1.1 -654.67,252.19 -624.12,221.63 -624.12,191.39 -608.42,175.69 -599.85,175.69 -585.1,160.94 -585.1,160.32
pads on no net: J2.MH1 J2.MH2 U1.1 U1.2 U1.3 U1.15 U1.16 U1.17 U1.18 U1.20 U1.21 U1.22 U1.23 U1.24 U1.30 U1.33 U1.34 U1.37 U1.38 U1.39 U1.40 U1.43 U1.44 U1.45 U1.46
copper on no net: | length 630
  Top Layer w10: -655.8,312.92 -534.18,312.92 -438.91,217.65 ; -580.8,171.54 -580.3,171.54 -429.79,171.54 -423.71,177.62
  Bottom Layer w10: -841.88,379.14 -721.5,379.14 -655.24,312.88
  other v1: -370.65,73.24

## Polygon pours and split planes (outlines as drawn)
GND on Top Layer "GND_L01_P000" (solid, pour order 0): -1190.55,-340.94 -600,-681.89 -9.45,-340.94 581.1,-681.89 1171.65,-340.94 1171.65,340.94 581.1,681.89 -9.45,340.94 -600,681.89 -1190.55,340.94
GND on Bottom Layer "GND_L02_P001" (solid, pour order 1): -1190.55,-340.94 -600,-681.89 -9.45,-340.94 581.1,-681.89 1171.65,-340.94 1171.65,340.94 581.1,681.89 -9.45,340.94 -600,681.89 -1190.55,340.94

## Keep-outs
Keep-Out Layer:
  the board outline again, w3.94

## Silkscreen, mask and mechanical layers (free items; w line width, h text height)
Top Overlay:
  drawing of 1337 lines, arcs and shapes, not listed
  text "3V3" at -631,565.01 h32
  text "3V3" at 549,565.01 h32
  text "P2*" at -425.93,382.16 h40
  text "P1" at -977.16,364.32 h40
  text "3V3" at 1009,325.01 h32
  text "3V3" at -1059.01,263 h32 r90
  text "3V3" at -31,225.01 h32
  text "P5" at -1162.94,-154.98 h40
  text "3V3" at -51,-254.99 h32
  text "C" at -730,-289.99 h50
  text "D" at -630,-289.99 h50
  text "R" at -530,-289.99 h50
  text "3V3" at -1091,-334.99 h32
  text "3V3" at 1009,-354.99 h32
  text "P4" at -944,-369.99 h40
  text "P3" at -491.64,-541.85 h40
  text "3V3" at -557,-565.01 h32 r180
  text "3V3" at 549,-594.99 h32
Bottom Overlay:
  text "GND" at -631,594.99 h32 r180
  text "GND" at 549,594.99 h32 r180
  text "P1" at -710,414.02 h76
  text "H17R0" at 422.73,392.16 h70
  text "P2*" at -224,370.01 h40
  text "GND" at 1083,325.01 h32
  text "GND" at -1143.96,262.08 h32 r90
  text "GND" at -51,254.99 h32 r180
  text "P5" at -984,-9.99 h40
  text "GND" at -51,-225.01 h32 r180
  text "GND" at -997,-334.99 h32
  text "GND" at 1083,-354.99 h32
  text "P4" at -824,-369.99 h40
  text "P3" at -424,-469.99 h40
  text "GND" at 549,-545.01 h32 r180
  text "GND" at -651,-565.01 h32 r180
Top Solder:
  drawing of 16 lines, arcs and shapes, not listed
Bottom Solder:
  drawing of 16 lines, arcs and shapes, not listed
Dimensions:
  lines w3.94: -3.06,-340.94 -593.61,-681.89 -1184.16,-340.94 -1184.16,340.94 -593.61,681.89 -3.06,340.94

## Text inside footprints (layer, text, board x,y; h text height)
C2: Mechanical 32 "1" at -774,193.5 h25 r270; Mechanical 32 "2" at -774,266.5 h25 r270; Mechanical 33 "C40" at -781.17,313.5 h25 r270
C4: Mechanical 32 "2" at -859,213.5 h25 r90; Mechanical 32 "1" at -859,286.5 h25 r90; Mechanical 33 "C40" at -851.83,166.5 h25 r90
C10: Top Overlay "+" at 374.89,374.44 h59.06
DRV1: Top Overlay "*" at 726.24,-180.98 h50 r180; Top Overlay "RefDes" at 662.49,19.35 h50 r180; Top Overlay "REFDES" at 674.99,19.35 h50 r180; Mechanical 13 "*" at 673.49,-145.65 h50 r180; Mechanical 13 "RefDes2" at 674.99,19.35 h50 r180